# Allegro board P2597_B04_Allegro_layout.brd (continued)
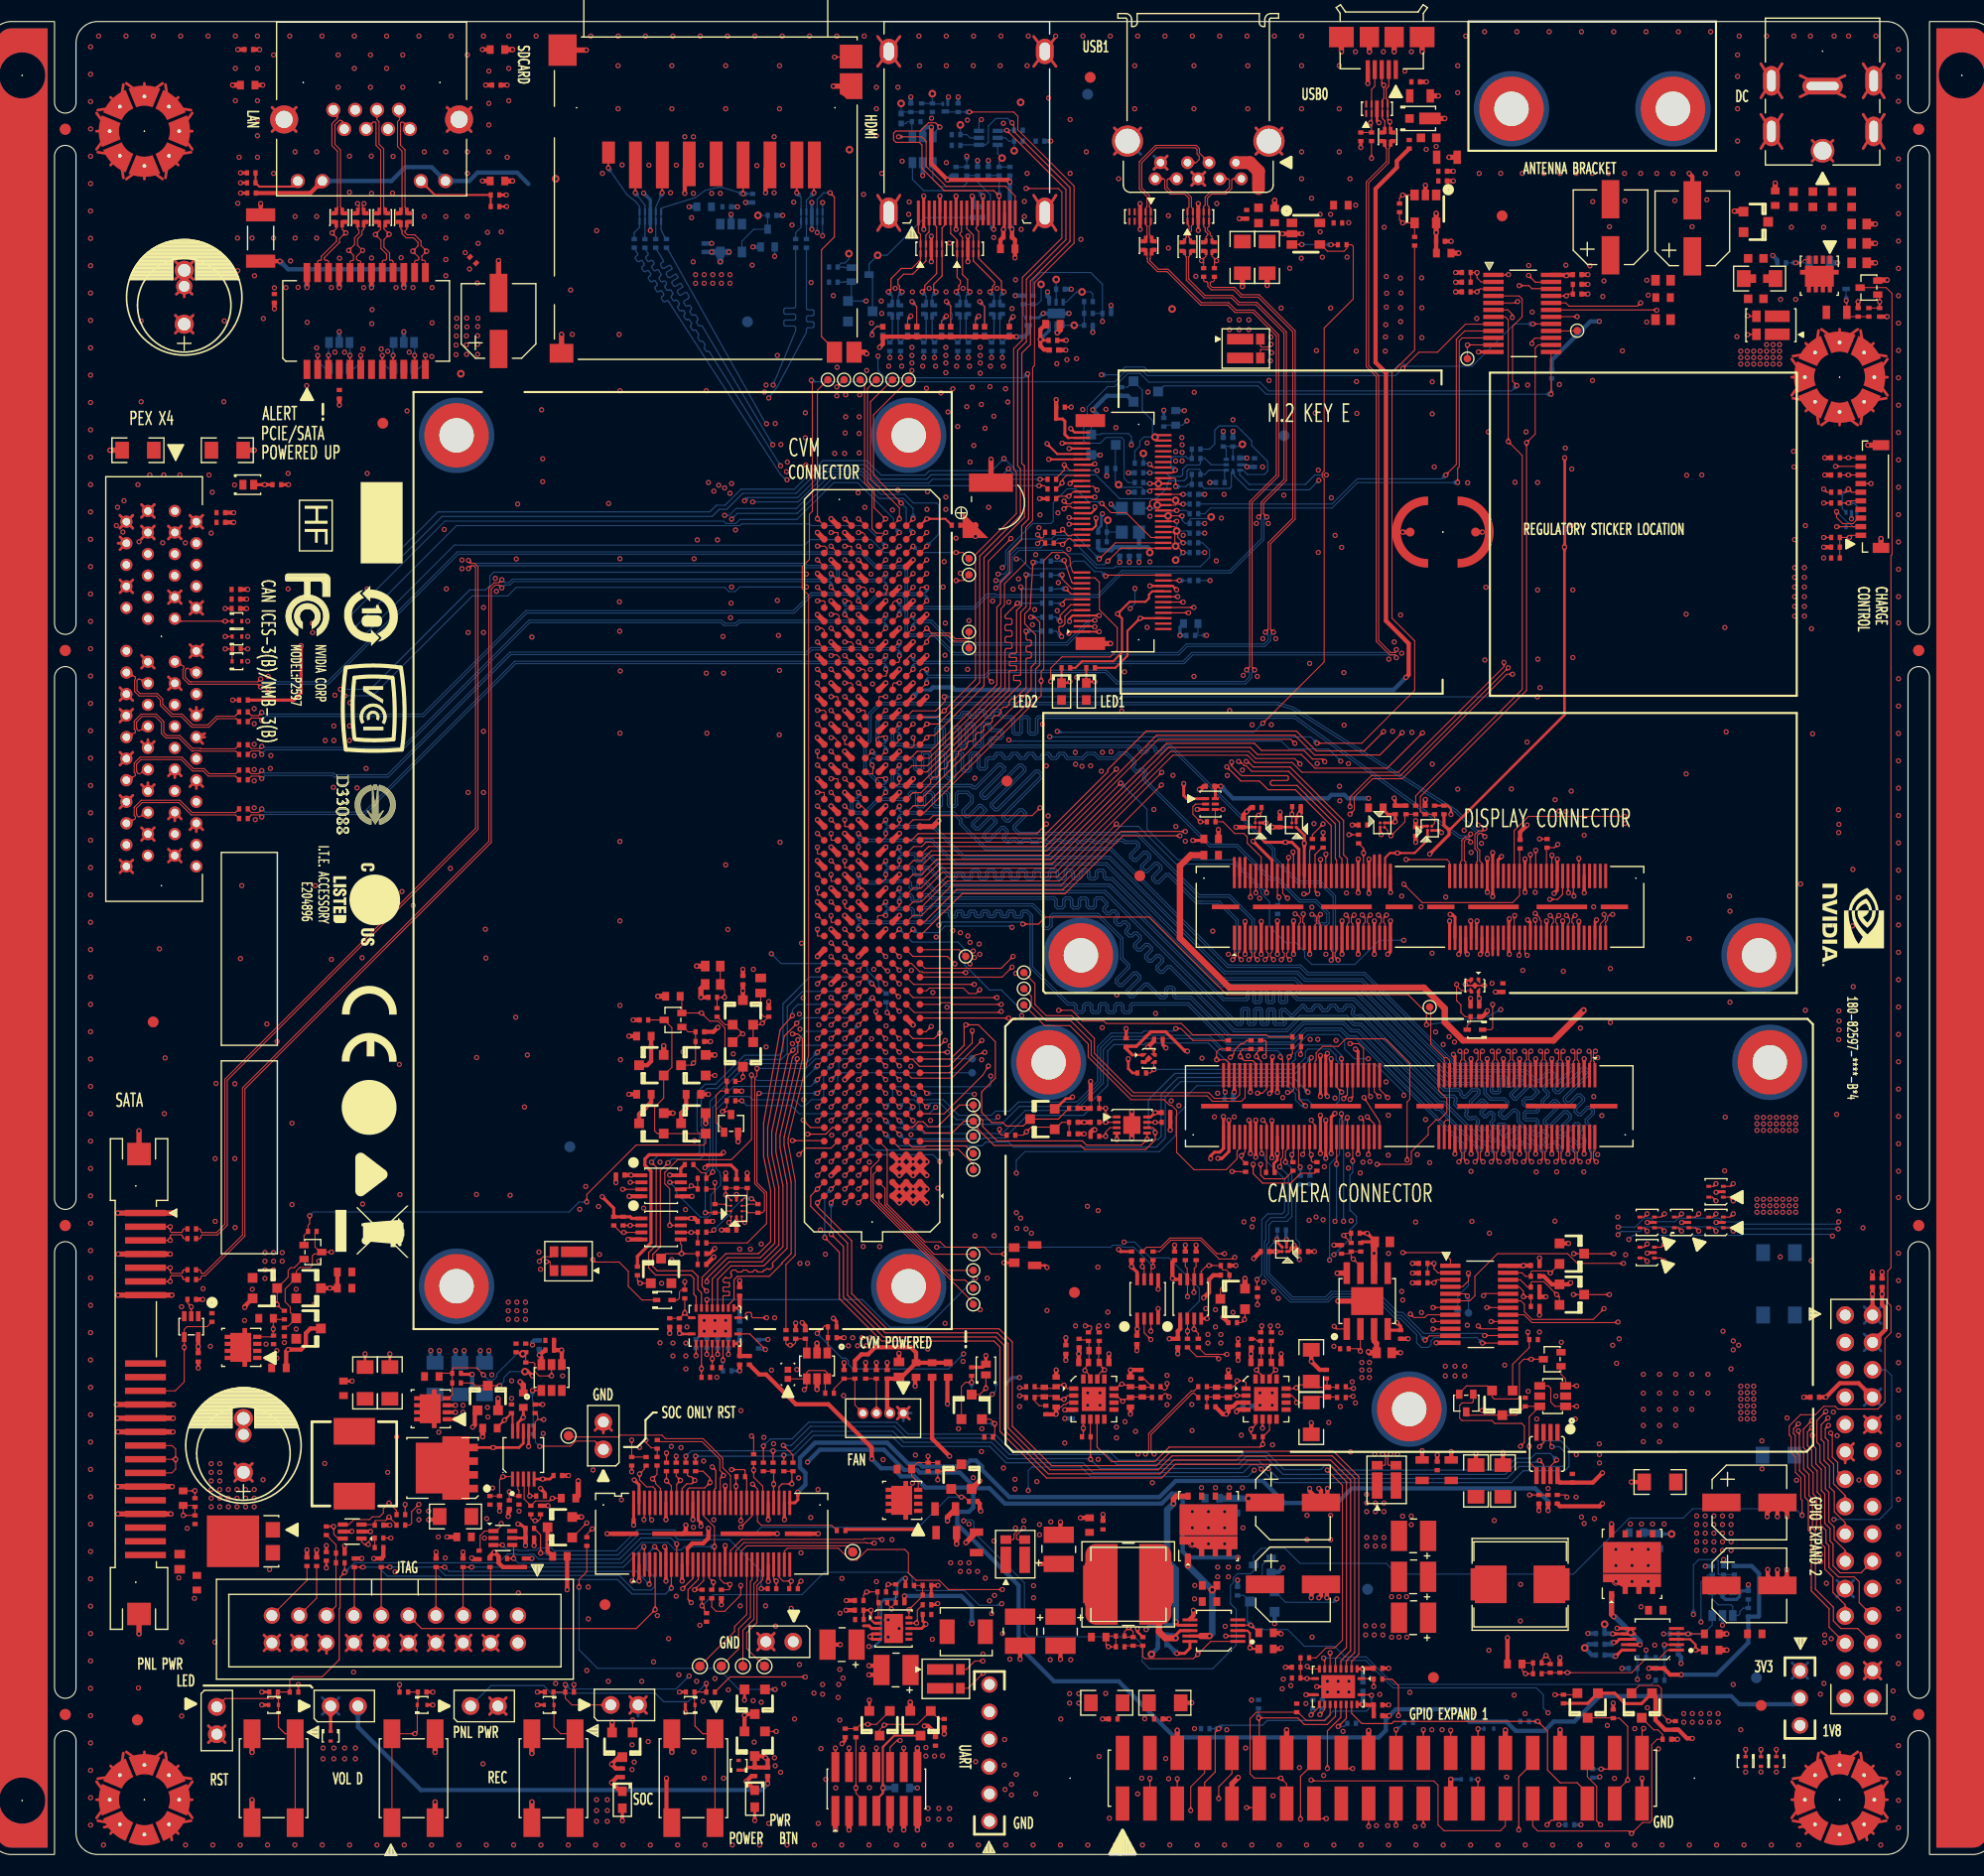
[diagram p0: board, top side]
## Copper pours and planes (outline as drawn; the poured copper is in the pictures) (continued)
VDD_1V8 on L3: 63.08,38.78 61.55,40.31 61.55,49.46 63.28,51.2 65.32,51.2 66.8,52.67 66.8,53.73 69.65,56.58 69.65,58.03 70.52,58.9 72.25,58.9 72.53,58.62 72.53,53.43 69.95,50.85 69.95,47.75 69.15,46.95 66.25,46.95 65.29,45.99 65.29,44.79 65.92,44.16 65.92,43.73 66.49,43.16 66.49,40.42 68.54,38.37 68.54,35.54 69.46,34.62 69.46,31.74 66.87,29.15 62.97,29.15 62.6,29.52 62.6,33.83 63.22,34.44 63.22,35.5 63.22,35.51 63.22,35.85 64.1,36.73 64.1,37.75 64.09,37.77 64.09,38.24 63.55,38.78
VDD_1V8 on L4: outline of 89 points within 13.15,18.08 147.6,84.96
VDD_1V8_IO on TOP: 90.13,19.72 89.19,18.79 84.77,18.79 84.66,18.69 84.66,15.71 84.84,15.54 86.72,15.54 86.89,15.71 86.89,16.08 86.91,16.1 91.85,16.1 93.52,17.77 93.52,21.7 93.22,22.01 90.41,22.01 90.13,21.72
VDD_3V3_SLP on TOP: 32.15,56.24 28.24,56.25 27.75,55.76 27.75,53.68 27.13,53.06 24.11,53.06 21.11,50.05 20.38,50.05 20.38,50.45 20.52,50.6 20.52,53.75 24.05,57.28 24.05,70.91 46.95,93.8 46.95,116.58 48.12,117.75 48.12,119.11 46.4,120.83 43.85,120.83 43.32,120.3 43.32,118.81 42.64,118.13 23.07,118.13 22.65,117.7 22.65,116.23 22.6,116.18 22.05,116.18 21.85,115.98 21.85,115.7 21.88,115.68 21.88,115.11 21.52,114.75 12.27,114.75 11.25,115.78 11.25,120.38 11.75,120.88 19.64,120.88 21.8,123.03 22.7,123.03 23.09,123.42 23.09,125.98 23.68,126.57 25.01,126.57 25.21,126.77 27.25,126.77 28.17,127.68 45.55,127.68 46.95,129.08 46.95,134.28 46,135.23 43.9,135.23 43.1,136.03 43.1,142.74 43.3,142.94 49.9,142.94 51.68,141.16 51.68,138.15 52.01,137.82 56.95,137.82 57.98,136.79 57.98,65.34 54.22,61.57 54.22,59.88 54.76,59.33 55.46,59.33 55.75,59.03 55.75,55.68 55.55,55.48 52.95,55.48 52.95,57.08 52.75,57.28 49.81,57.28 45.42,61.66 37.57,61.66
VDD_3V3_SLP on BOTTOM: outline of 114 points within 19.48,16.68 129.24,71.07
VDD_3V3_SLP on BOTTOM: 32.65,136.18 32.05,136.78 32.05,138.48 32.75,138.48 32.75,137.48 33.05,137.18 37.75,137.18 38.15,137.58 38.15,138.48 38.75,138.48 38.75,137.48 39.05,137.18 41.05,137.18 41.65,137.78 41.65,142.76 42.15,143.26 45.8,143.26 47.98,145.43 47.98,153.51 59.75,165.28 94.54,165.28 97.35,162.47 97.35,158.37 97.27,158.29 96.22,158.29 95.76,158.75 95.76,160.47 94.65,161.58 91.99,161.58 90.63,162.93 90.63,163.18 90.35,163.46 84.8,163.46 83.53,162.19 83.53,159.39 84.08,158.84 85.14,158.84 85.17,158.81 88.11,158.81 88.15,158.85 88.15,159.76 88.36,159.97 89.54,159.97 89.54,158.49 88.87,157.82 83.35,157.82 80.55,155.02 80.55,150.08 78.15,147.68 78.15,145.43 78.95,144.63 78.95,143.08 79.25,142.78 80.2,142.78 80.2,141.83 80.1,141.73 77.8,141.73 77.12,142.41 77.12,149.36 78.15,150.38 78.15,153.18 78.85,153.88 78.85,154.78 76.15,157.48 57.45,157.48 52.58,152.61 52.58,138.61 50.15,136.18
VDD_3V3_SLP on L3: 118.1,64.71 117.85,64.46 117.05,64.46 116.62,64.89 116.62,69.19 117.47,70.04 119.59,70.04 120,70.45 120,74.21 119.67,74.54 118.35,74.54 117.82,75.08 116.11,75.08 114.81,76.38 112.05,76.38 111.8,76.62 111.8,90.63 115.49,94.31 115.49,95.42 115.67,95.6 116.88,95.6 118.65,93.83 118.65,91.23 114.67,87.25 114.67,83.4 115.57,82.5 116.88,82.5 122.34,77.04 122.34,75.32 122.75,74.91 122.75,69.04 122.39,68.68 118.38,68.68 118.1,68.41
VDD_3V3_SYS on TOP: 100.77,12.99 99.99,13.77 99.99,14.97 100.2,15.17 102.61,15.17 102.93,14.86 102.93,13.14 102.78,12.99
VDD_3V3_SYS on TOP: 59.82,2.56 56.05,2.56 55.87,2.74 55.87,5.09 56.11,5.33 57.51,5.33 57.84,5 59.99,5 60.18,4.82 60.18,2.91
VDD_3V3_SYS on TOP: 94.85,28.58 94.85,26.08 94.85,26.08 94.85,25.2 94.47,24.83 89.15,24.83 88.25,25.72 86.28,25.72 85.65,26.35 85.65,33.38 86.75,33.38 86.85,33.48 86.85,35.98 87.45,35.98 87.45,33.78 88.35,32.88 88.35,29.28 89.05,28.58
VDD_3V3_SYS on TOP: 114.85,140.18 114.85,142.58 115.05,142.78 117.05,142.78 117.35,142.48 117.35,140.01 117.25,139.91 115.12,139.91
VDD_3V3_SYS on BOTTOM: 101.39,37.89 100.78,38.5 100.78,39.92 100.98,40.12 100.98,40.84 100.87,40.95 99.8,40.95 99.61,41.14 99.61,41.62 99.75,41.76 140.9,41.76 149.95,50.81 153.83,50.81 155.89,52.87 166.24,52.87 166.83,52.28 166.83,45.53 166.42,45.12 162.77,45.12 155.23,37.58 147.22,37.58 146.06,38.73 143.78,38.73 142.28,37.23 141.5,37.23 140.25,35.98 125.29,35.98 124.81,36.46 123.88,36.46 123.49,36.06 120.47,36.06 118.73,37.8 116.43,37.8 115.56,36.93 104.96,36.93 104,37.89
VDD_3V3_SYS on BOTTOM: 149.74,14.3 146.09,10.65 140.78,10.65 140.17,11.26 138.65,11.26 137.98,11.93 136.3,11.93 135.53,11.16 133.59,11.16 133.1,11.65 130.35,11.65 129.19,10.49 109.76,10.49 104.57,15.69 94.96,15.69 93.91,14.63 89.61,14.63 87.97,13 87.97,6.96 86.55,5.55 39.84,5.55 33.77,11.62 33.77,12.71 33.18,13.29 33.18,17.11 32.88,17.41 29.8,17.41 27.88,15.49 27.88,4.24 30.52,1.6 165.95,1.6 167.08,2.73 167.08,7.8 167.94,8.66 169.73,8.66 171.28,10.21 171.28,18.14 170.5,18.92 166.95,18.92 166.63,18.6 166.63,16.24 166.99,15.88 168.75,15.88 169.2,15.43 169.2,13.9 168.73,13.43 163.16,13.43 163.16,13.43 162.32,13.43 161.44,14.3
VDD_3V3_SYS on L3: 110.15,53.78 110.86,53.07 110.86,52.05 108.27,49.46 107.77,49.46 107.02,48.7 107.02,47.24 107.69,46.57 107.69,38.02 107.3,37.62 104.55,37.62 104.23,37.95 104.23,40.22 104.47,40.46 106.27,40.46 106.36,40.56 106.36,45.05 104.35,47.06 104.35,50.32 107.81,53.78
VDD_3V3_SYS on L3: 128.35,133.61 124.58,129.83 124.58,126.58 125,126.16 125,125.73 124.77,125.5 124.77,123.28 125.36,122.68 125.36,122.32 124.94,121.89 124.94,102.42 125.4,101.95 126.2,101.95 127.06,101.09 127.06,98.07 136.05,89.08 136.05,88.3 135.76,88.02 135.4,88.02 135.12,87.73 135.12,85.52 135.37,85.26 139.86,85.26 140.12,85.53 140.12,86.89 141.52,88.28 141.52,91.84 141.38,91.98 139.91,91.98 139.63,92.27 139.63,100.31 135.1,104.84 135.1,147.65 134.62,148.13 129.55,148.13 128.35,146.94
VDD_3V3_SYS on L3: 49.53,7.61 30.73,7.61 29.22,9.12 29.22,13.72 32.46,16.96 32.46,21.24 32.62,21.4 32.62,24.54 34.41,26.33 34.41,28.51 34.74,28.85 37.37,28.85 37.68,29.15 37.68,32.65 35.35,34.98 35.35,109.22 32.85,111.72 14.3,111.72 11.22,114.8 11.22,116.12 11.25,116.15 11.25,129.83 18.3,136.88 48.45,136.88 51.35,139.78 51.35,151.38 55.17,155.2 73.8,155.2 75.13,153.87 75.13,151.24 72.5,148.61 72.5,148.12 72.69,147.93 72.69,139.86 70.83,138 70.83,128.63 70.28,128.08 66.7,128.08 66.14,127.52 66.14,125.74 67.05,124.84 67.05,78.13 66.25,77.33 66.25,71.48 67.75,69.98 67.75,63.25 68.13,62.87 69.44,62.87 71.46,60.85 71.46,59.46 71.1,59.1 70.17,59.1 69.55,58.48 69.15,58.48 69.05,58.58 69.05,58.68 68.75,58.98 68.45,58.98 68.44,58.97 68.44,56.42 67.9,55.88 65.35,55.88 64.05,57.18 64.05,62.18 63.55,62.68 59.15,62.68 58.55,62.08 58.55,62.04 57.25,60.74 55.61,60.74 55.12,60.25 55.12,10.96 59.54,6.54 59.54,2.86 58.84,2.16 54.98,2.16
VDD_3V3_SYS on L3: 105.39,143.67 107.2,143.67 107.22,143.65 117.06,143.65 117.93,142.78 117.93,136.57 114.79,133.44 114.79,130.73 113.76,129.69 113.76,126.04 113.59,125.88 112.46,125.88 112.27,126.06 112.27,126.87 111.8,127.34 111.8,131.1 110.87,132.04 110.16,132.04 109.19,131.06 108.27,131.06 107.9,131.43 107.25,131.43 106.7,130.88 106.07,130.88 105.82,130.63 107.08,129.37 107.08,120.95 106.66,120.53 105.63,120.53 105.38,120.28 105.38,119.78 105.13,119.53 103.65,119.53 103.06,120.12 103.06,120.33 101.41,121.98 101.41,127.44 103.6,129.64 103.6,130.19 102.53,131.26 102.53,132.8 103,133.26 103,135.13 104.5,136.64 104.5,142.78
VDD_3V3_SYS on L3: 88.41,26.93 88.41,21.86 86.48,19.92 86.48,13.32 87.59,12.21 88.14,11.66 88.14,8.08 87.69,7.63 86.3,7.63 85.59,6.91 85.59,4.48 87.13,2.93 90.73,2.93 92.25,4.45 92.25,7.09 90.77,8.57 90.77,12.1 90.96,12.3 90.96,19.44 92.25,20.72 92.25,25.75 92.17,25.83 92.17,27.1 91.65,27.63 89.11,27.63
VDD_3V3_SYS on L3: 150.5,46.42 151.13,47.05 151.67,47.05 152.86,48.24 152.86,57.74 150.87,59.72 150.87,67.25 152.32,68.7 152.32,88.06 150.78,89.6 150.78,95.35 147.99,98.14 147.99,135.32 145.33,137.99 145.33,142.29 145.43,142.39 147.78,142.39 147.95,142.57 147.95,143.09 147.85,143.2 145.26,143.2 144.92,143.54 144.92,143.76 143.42,145.26 143.42,147.89 143.74,148.21 150.8,148.21 152.97,146.04 152.97,143.94 155.09,141.82 155.09,133.52 159.91,128.7 159.91,63.38 160.71,62.58 161.88,62.58 162.19,62.27 162.19,55.92 160.78,54.51 160.78,50.4 159.91,49.53 159.91,46.6 161.25,45.26 161.25,36.08 163.05,34.28 166.85,34.28 169.17,31.95 169.17,14.04 168.7,13.57 161.69,13.57 161.1,12.98 161.1,12.35 161.11,12.34 161.11,12.08 160.57,11.54 158.21,11.54 158.2,11.54 156.89,11.54 156.75,11.68 156.75,12.7 156.14,13.31 155.41,13.31 153.49,15.23 153.49,16.68 153.38,16.78 152.85,16.78 152.65,16.58 152.65,15.13 153.32,14.46 153.32,13.62 152.95,13.26 149.57,13.26 148.3,14.52 148.3,17.32 147.83,17.79 147.83,28.44 149.43,30.05 149.43,35.66 150.5,36.73
VDD_3V3_SYS on L4: 144.15,154.58 150.4,148.33 150.4,142.68 148,140.28 68.28,140.28 64.94,143.62 64.94,152.57 66.95,154.58
VDD_3V3_SYS_M2 on TOP: 114.58,139.48 114.84,139.74 117.3,139.74 117.43,139.61 117.43,126.5 116.65,125.72 116.65,110.78 112.35,106.48 98.98,106.48 98.77,106.69 98.77,107.54 99.1,107.87 104.49,107.87 107.92,111.3 107.92,114.36 108.02,114.45 111.22,114.45 112.26,115.49 112.26,115.98 111.95,116.29 111.51,116.29 110.74,117.06 110.74,118.06 110.06,118.74 110.06,120.21 110.25,120.41 111.09,120.41 111.25,120.56 111.25,125.86 110.55,126.55 110.55,129.33 111.25,130.03 111.25,130.88 110.99,131.14 108.18,131.14 108.05,131.14 107.94,131.26 107.94,132.13 108.18,132.38 108.18,134.04 109.22,135.08 112.28,135.08 114.58,137.38
VDD_3V3_SYS_PWR_R on TOP: 101.14,28.58 95.45,28.58 95.45,25.11 94.25,23.9 94.25,21.08 94.61,20.72 100.97,20.72 101.2,20.48 101.2,19.6 101.41,19.39 102.67,19.39 102.84,19.56 102.84,20.67 103.05,20.88 104.89,20.88 105.06,21.04 105.06,29.84 104.52,30.39 101.67,30.39 101.49,30.21 101.49,28.93
VDD_5V0_IO_SLP on TOP: 12.55,38.28 17.15,38.28 17.55,38.68 17.55,42.17 21.45,46.07 21.45,48.78 23.05,50.38 25.61,50.38 25.81,50.18 25.81,48.68 25.57,48.44 23.96,48.44 23.95,48.43 23.95,45.73 24.1,45.59 26.5,45.59 26.5,44.77 23,44.77 19.95,41.73 19.95,36.48 18.65,35.18 12.55,35.18
VDD_5V0_IO_SYS on TOP: 129.75,35.41 129.7,35.45 127.88,35.45 127.49,35.07 127.49,20.25 127.86,19.88 129.4,19.88 129.75,20.23
VDD_5V0_IO_SYS on TOP: 125.15,151.86 125.02,151.73 125.02,150.41 124.65,150.03 123.17,150.03 123.05,150.16 123.05,153.31 123.77,154.03 125,154.03 125.15,153.88
VDD_5V0_IO_SYS on TOP: 81.3,18.08 79.77,18.08 79.75,18.11 79.75,21.78 80.02,22.05 80.57,22.05 80.57,21.51 80.7,21.38 81.7,21.38 81.97,21.1 82.82,21.1 82.82,20.86 81.67,20.86 81.35,20.53 81.35,19.83 81.55,19.63 81.82,19.63 81.9,19.55 81.9,19.11 81.8,19.01 81.52,19.01 81.3,18.78
VDD_5V0_IO_SYS on TOP: 42.05,41.98 42.05,40.08 44.05,40.08 44.25,40.28 44.25,41.78 44.05,41.98
VDD_5V0_IO_SYS on TOP: 162.68,39.66 162.12,40.22 162.12,50.58 171.69,60.14 171.69,107.29 167.45,111.53 167.45,119.57 167.6,119.72 174.4,119.72 174.41,119.73 175.72,119.73 176.3,119.14 176.3,53.55 176.03,53.28 174.9,53.28 174.45,52.83 174.45,50.04 174.9,49.58 174.9,45.31 174.22,44.63 171.91,44.63 171.25,43.96 171.25,42.07 171.01,41.83 170.22,41.83 169.44,41.05 166.87,41.05 165.48,39.66
VDD_5V0_IO_SYS on TOP: 24.35,47.68 26.55,47.68 27.15,47.08 27.15,45.98 26.95,45.78 24.35,45.78 24.25,45.88 24.25,47.58
VDD_5V0_IO_SYS on BOTTOM: 151.01,37.34 155.27,37.34 162.88,44.94 166.39,44.94 166.83,44.5 166.83,32.83 166.44,32.43 158.14,32.43 157.16,31.45 152.23,31.45 147.09,26.31 130.87,26.31 129.81,27.37 127.76,27.37 126.94,28.19 126.94,32.98 127.57,33.61 143.41,33.61 143.98,33.03 143.98,31.91 144.37,31.52 144.93,31.52 145.15,31.75 145.15,33.09 148.04,35.98 149.66,35.98
VDD_5V0_IO_SYS on BOTTOM: 40.95,40.08 45.51,40.08 45.82,40.39 45.82,41.67 46.06,41.91 46.67,41.91 46.77,42 46.77,43.36 46.75,43.38 40.36,43.38 40.19,43.21 40.19,40.84
VDD_5V0_IO_SYS on BOTTOM: 134.42,152.68 135.03,152.07 135.03,138.88 134.53,138.38 131.75,138.38 131.53,138.6 130.74,138.6 129.99,137.85 100.63,137.85 99.43,139.05 99.43,139.67 100.02,140.26 103.17,140.26 104.8,141.88 104.8,148.33 109.15,152.68
VDD_5V0_IO_SYS on L3: outline of 101 points within 107.21,63.35 169.72,155.14
VDD_5V0_IO_SYS on L4: 84.46,13.25 85.34,12.37 86.85,12.37 88.27,10.96 89.09,10.96 91.35,13.21 91.35,13.95 92.15,14.74 93.59,14.74 96.09,12.24 107.87,12.24 108.97,13.34 117.22,13.34 117.41,13.53 119.94,13.53 119.95,13.52 121.05,13.52 121.94,14.4 138.99,14.4 141.91,11.48 152.1,11.48 153.15,12.53 155.45,12.53 158.05,15.13 158.05,16.83 157.63,17.25 156.78,17.25 155.47,18.55 153.05,18.55 152.65,18.95 152.65,20.7 151.03,22.32 121.68,22.32 121.26,22.74 113.84,22.74 113.19,23.38 95.5,23.38 94.27,22.16 88.25,22.16 85.99,19.89 80.98,19.89 80,18.91 80,14.33 81.09,13.25
VDD_5V0_IO_SYS on L4: outline of 82 points within 23.89,31.24 164.07,77.29
VDD_5V0_IO_SYS_R on TOP: 132.52,19.85 132.64,19.73 141.61,19.73 141.61,34.91 141.38,35.14 137.2,35.14 136.43,35.9 131.92,35.9 131.51,35.49 130.13,35.49 130.13,32.16 130.38,31.91 132.32,31.91 132.52,31.72
VDD_12V_SLP on TOP: 18.13,27.48 12.55,27.48 12.55,30.68 12.75,30.88 19.35,30.88 20.15,31.68 20.15,33.78 20.14,33.78 20.14,41.7 23.06,44.62 28,44.62 28.04,44.66 28.04,46.45 28.12,46.52 29.05,46.52 29.7,47.18 29.7,47.86 30.06,48.22 31.35,48.22 31.36,48.23 31.36,51.69 31.69,52.02 32.75,52.02 32.77,52.04 32.77,55.9 37.75,60.88 45.23,60.88 50.44,55.67 50.44,47.97 50.27,47.8 40.03,47.8 39.17,46.94 34.74,46.94 32.07,44.27 32.07,43.39 30.95,42.27 30.95,38.48 29.15,36.68 26.55,36.68 24.95,35.08 24.95,26.68 23.85,25.58 18.82,25.58 18.82,26.79
VDD_12V_SLP on TOP: 16.05,143.88 14.55,142.38 14.55,128.58 11.55,125.58 11.55,123.18 13.25,121.48 19.95,121.48 21.25,122.78 21.25,142.68 20.05,143.88
VDD_12V_SLP on BOTTOM: 12.4,59.66 12.4,32.53 13.85,31.08 23.7,31.08 24.95,32.33 24.95,56.47 27.23,58.74 27.23,93.93 25.88,95.27 24.74,95.27 24.2,95.81 24.2,108.43 25.84,110.07 28.47,110.07 29.45,111.05 29.45,133.85 19.5,143.8 11.75,143.8 10.55,142.6 10.55,61.52
VDD_12V_SLP on L4: 81.79,42.88 76.23,48.44 48.28,48.44 47.64,49.08 47.64,52.37 48.1,52.83 64.4,52.83 65.2,53.63 74.12,53.63 74.61,53.14 79.95,53.14 80.26,52.83 80.26,52.78 87.55,45.5 87.55,43.33 87.1,42.88
VDD_19V_CON on TOP: 167.05,154.08 167.05,159.08 168.65,160.68 171.85,160.68 173.45,159.08 173.45,154.08
VDD_19V_IN on TOP: 164.65,153.21 164.65,150.28 166.25,148.68 169.35,148.68 169.35,147.68 171.12,147.68 171.3,147.68 171.8,147.18 173.38,147.18 173.45,147.25 173.45,153.48 164.92,153.48
VDD_DIS_3V3_LCD on TOP: 128.45,92.48 128.25,92.68 128.25,93.88 127.75,94.38 127.75,98.13 127.95,98.33 128.3,98.33 128.45,98.18 128.45,96.58 128.75,96.28 129.15,96.28 129.35,96.08 129.35,95.58 128.85,95.58 128.75,95.48 128.75,94.08 129.45,93.38 129.45,92.68 129.25,92.48
VDD_LM3481_GATED on TOP: 48.85,32.88 48.75,32.78 48.75,31.78 48.45,31.48 48.45,30.98 48.65,30.78 49.75,30.78 49.95,30.98 49.95,31.28 49.55,31.68 49.55,32.78 49.45,32.88
VDD_LM3481_GATED on TOP: 31.95,37.28 31.45,37.78 31.45,42.04 32.39,42.98 38.75,42.98 39.25,43.48 39.25,44.98 40.65,46.38 47.85,46.38 48.85,45.38 48.85,41.58 48.75,41.48 48.15,41.48 48.05,41.58 48.05,44.58 47.25,45.38 41.05,45.38 40.65,44.98 40.65,43.7 41.17,43.18 41.17,42.73 41.55,42.73 41.55,40.03 41.17,40.03 41.17,39.58 41.05,39.45 37.92,39.45 35.75,37.28
VDD_LM3481_GATED on BOTTOM: 49.55,31.83 49.55,38.78 48.85,39.48 48.85,44.08 48.65,44.28 48.25,44.28 48.05,44.08 48.05,38.68 48.75,37.98 48.75,31.78 48.94,31.59 49.31,31.59
VDD_MOD on TOP: 161.84,148.59 163.73,148.59 163.73,148.59 163.73,147.07 164.08,146.72 164.08,145.91 163.73,145.56 163.73,144.16 161.75,142.18 161.75,140.48 158.18,136.91 158.18,102.22 160.45,99.95 160.45,64.02 156.62,60.19 152.87,60.19 152.42,59.73 152.42,58.43 152.07,58.08 125.51,58.08 124.98,57.55 104.34,57.55 102.58,55.79 93.35,55.79 92.53,56.62 88.86,56.62 88.37,57.11 87.03,57.11 83.56,60.58 83.56,62.59 83.75,62.78 90.68,62.78 92.05,64.15 92.05,65.05 92.49,65.49 101.08,65.49 101.53,65.04 107.52,65.04 108.34,65.87 109.71,65.87 109.95,65.63 109.95,65.13 111.75,63.33 114.79,63.33 115.35,62.78 148.76,62.78 152.57,66.59 152.57,97.41 148.97,101.01 148.97,135.91 154.9,141.85 155.29,141.85 155.63,142.19 155.63,146.52 155.26,146.89 154.01,146.89 153.82,146.7 149.72,146.7 149.7,146.72 149.7,150.45 149.81,150.57 159.87,150.57
VDD_MUX on TOP: 116.6,21.58 114.3,21.58 113.5,22.38 113.5,25.38 113.09,25.78 112.58,25.78 112.31,26.05 112.31,28.01 111.45,28.45 110.5,28.45 110.5,29.23 116.31,29.23 116.4,29.32 116.4,33.48 116.95,34.03 120.92,34.03 121.37,33.59 121.37,21.99 120.96,21.59 116.61,21.59
VDD_MUX on TOP: 154.72,36.43 152.8,36.43 152.57,36.66 152.57,59.64 152.96,60.03 156.67,60.03 160.64,63.99 160.64,100.02 158.36,102.29 158.36,136.84 161.7,140.18 164.35,140.18 164.75,140.58 164.75,141.58 167.15,141.58 167.15,111.54 171.5,107.19 171.5,60.18 161.76,50.43 161.76,40.09 163.75,38.11 163.75,17.59 163.63,17.47 156.93,17.47 156.86,17.55 156.86,17.94 156.95,18.03 161.5,18.03 161.84,18.37 161.84,21.32 161.61,21.55 158.19,21.55 157.5,20.86 155.47,20.86 154.87,21.46 154.87,23.28 151.75,23.28 151.05,23.98 151.05,24.48 150.95,24.58 150.05,24.58 149.95,24.68 149.95,25.58 150.05,25.68 155.25,25.68 155.55,25.98 155.55,29.18 156.15,29.78 156.15,33.3 155.95,33.5 155.47,33.5 155.15,33.81 155.15,36
VDD_MUX on BOTTOM: 162.03,28.1 161.9,27.98 158.35,27.98 158.25,28.08 158.25,31.58 158.49,31.82 161.81,31.82 162.03,31.6
VDD_MUX on BOTTOM: 111.16,28.27 111.16,29.37 111.26,29.47 115.86,29.47 115.96,29.37 115.96,28.27 115.76,28.07 111.36,28.07
VDD_MUX on BOTTOM: 166.8,133.53 166.8,140.38 166.45,140.73 164.6,140.73 164.15,140.28 158.75,140.28 158.45,139.98 158.45,83.66 159.45,82.66 159.45,59.93 160.57,58.8 171.2,58.8 171.57,59.18 174.8,59.18 175.95,60.33 175.95,130.38 174.3,132.03 168.3,132.03
VDD_MUX on BOTTOM: 150.35,24.68 150.35,25.78 150.45,25.88 155.05,25.88 155.15,25.78 155.15,24.68 154.95,24.48 150.55,24.48
VDD_MUX on L4: 162.35,33.78 152.65,33.78 149.19,30.32 147.94,30.32 147.71,30.09 133.77,30.09 132.91,29.23 131.18,29.23 130.38,30.04 116.88,30.04 116.61,29.76 116.14,29.3 111.68,29.3 111.28,28.9 111.28,26.73 111.38,26.63 112.7,26.63 114.38,24.94 132.1,24.94 132.61,24.43 161.27,24.43 162.65,25.81 162.65,33.48
VDD_SYS_BL on TOP: 113.75,92.28 113.75,95.27 113.88,95.4 114.59,95.4 115.51,94.48 116.24,94.48 116.45,94.27 116.45,93.84 117.14,93.15 117.14,92.53 116.89,92.28
VDD_VBUS_CONN on TOP: 133.95,153.58 133.95,159.78 134.75,159.78 134.75,153.58
VDD_VBUS_CONN_L on TOP: 133.35,158.98 133.35,159.78 132.95,160.18 132.65,160.18 132.25,160.58 132.25,165.88 131.55,166.58 130.35,166.58 130.35,164.03 130.1,163.78 130.1,163.18 130.25,163.03 130.25,161.33 130.45,161.13 130.45,160.63 130.78,160.31 130.78,159.16 130.95,158.98
BUCK_IO_VSW on TOP: 150.38,20.09 150.46,20.02 151.11,20.02 151.21,20.12 152.46,20.12 152.46,19.86 152.45,19.85 151.49,19.85 150.93,19.29 144.96,19.29 143.35,20.9 143.35,29.3 144.33,30.28 148.45,30.28 149.75,28.98 155.25,28.98 155.35,28.88 155.35,26.18 149.85,26.18 149.65,25.98 149.65,23.98 150.38,23.25
BUCK_IO_VSW on BOTTOM: 150.45,26.78 150.45,28.58 150.75,28.88 155.45,28.88 155.65,28.68 155.65,27.68 154.45,26.48 150.75,26.48
BUCK_VSW on TOP: 109.5,21.28 106.8,21.28 105.4,22.68 105.4,30.28 107.64,32.52 116.16,32.52 116.16,29.41 115.9,29.41 115.9,29.63 110.5,29.63 110.5,29.38 110.35,29.38 110.35,28.29 110.5,28.29 110.5,27.95 110.89,27.95 110.89,26.48 111.39,25.98 111.39,23.17
BUCK_VSW on BOTTOM: 111.23,30.12 111.23,31.92 111.53,32.22 116.23,32.22 116.43,32.02 116.43,31.02 115.23,29.82 111.53,29.82
CGND on TOP: 24.25,153.88 23.65,153.28 23.65,146.88 25.85,144.68 41.25,144.68 46.95,150.38 46.95,169.56 24.25,169.56
CGND on BOTTOM: 46.95,169.56 46.95,150.38 41.25,144.68 25.85,144.68 23.65,146.88 23.65,153.28 24.25,153.88 24.25,169.56
CGND on L2: 24.25,153.88 23.65,153.28 23.65,146.88 25.85,144.68 41.25,144.68 46.95,150.38 46.95,169.56 24.25,169.56
CGND on L3: 23.65,153.28 23.65,146.88 25.85,144.68 41.25,144.68 46.95,150.38 46.95,169.56 24.25,169.56 24.25,153.88
CGND on L4, L5: 46.95,169.56 46.95,150.38 41.25,144.68 25.85,144.68 23.65,146.88 23.65,153.28 24.25,153.88 24.25,169.56
LM3481_S on TOP: 45.35,37.08 44.05,37.08 43.85,36.88 43.85,30.38 44.15,30.08 44.15,28.98 44.35,28.78 45.15,28.78 45.33,28.96 45.33,29.76 46.85,31.28 46.85,32.58 46.75,32.68 46.15,32.68 46.01,32.82 46.02,32.82 46.02,36.41
LM3481_SW on TOP: 25.45,27.18 25.35,27.28 25.35,34.08 27.05,35.78 35.25,35.78 38.35,38.88 43.55,38.88 43.55,32.98 37.08,32.98 36.3,32.2 36.3,31.83 36.05,31.58 35.3,31.58 35.08,31.35 33.58,31.35 33.3,31.08 31.05,31.08 30.8,30.83 30.8,30.33 27.65,27.18
MDI_CT on TOP: 29.12,136.12 29.12,138.78 29.76,138.78 29.76,136.7 30.09,136.37 30.1,136.38 31.71,136.38 32.13,136.8 32.13,138.79 32.77,138.79 32.77,136.7 33.09,136.38 34.72,136.38 35.14,136.8 35.14,138.77 35.15,138.78 35.76,138.78 35.77,138.79 35.77,136.76 36.15,136.38 37.75,136.38 38.14,136.77 38.14,138.78 38.77,138.78 38.77,136.36 38.18,135.77 29.48,135.77
Net_6 on TOP (solid shape): outline of 260 points within 0.63,0.63 5.37,169.55
Net_7 on TOP (solid shape): outline of 154 points within 180.81,0.63 185.54,169.55
Net_8 on BOTTOM (solid shape): outline of 260 points within 0.63,0.63 5.37,169.55
Net_9 on BOTTOM (solid shape): outline of 154 points within 180.81,0.63 185.54,169.55
Net_61 on L2 (solid shape): outline of 154 points within 180.81,0.63 185.54,169.55
Net_61 on L2 (solid shape): outline of 260 points within 0.63,0.63 5.37,169.55
Net_61 on L3 (solid shape): outline of 154 points within 180.81,0.63 185.54,169.55
Net_61 on L3 (solid shape): outline of 260 points within 0.63,0.63 5.37,169.55
Net_61 on L4 (solid shape): outline of 154 points within 180.81,0.63 185.54,169.55
Net_61 on L4 (solid shape): outline of 260 points within 0.63,0.63 5.37,169.55
Net_61 on L5 (solid shape): outline of 154 points within 180.81,0.63 185.54,169.55
Net_61 on L5 (solid shape): outline of 260 points within 0.63,0.63 5.37,169.55
P_P2_3V3 on BOTTOM: 167,45.41 167,52.6 167.3,52.91 174.32,52.91 175.8,51.43 175.8,49.03 175.6,48.83 174.1,48.83 173.55,48.28 173.55,46.03 172.62,45.1 167.3,45.1
P_P6_1V8 on BOTTOM: 167,56.98 167,53.35 167.28,53.08 174.4,53.08 175.97,51.5 175.97,48.95 175.7,48.68 174.17,48.68 173.7,48.2 173.7,45.93 173.88,45.75 176.82,45.75 177.53,46.45 177.53,57 176.88,57.66 172.1,57.66 171.38,56.93 170.9,56.93 170.47,57.35 167.38,57.35
P_P8_5V on BOTTOM: 175.85,44.93 176.42,44.35 176.42,32.38 175.62,31.58 169.82,31.58 169.08,32.32 167.43,32.32 166.99,32.77 166.99,44.63 167.29,44.93
PMGND on L3: 122.15,46.98 123.25,45.88 123.25,39.88 122.29,38.92 115.78,38.92 114.35,40.35 114.35,45.32 116.01,46.98
PMGND3 on L3: 99.16,46.88 104.23,46.88 106.21,44.91 106.21,40.72 106.11,40.62 104.39,40.62 103.96,40.19 103.96,36.28 103.66,35.98 97.87,35.98 97.52,36.33 97.52,40.18 98.5,41.16 98.5,46.22
SD_CARD_SW_PWR on TOP: 66.75,159.08 66.75,154.18 66.95,153.98 67.95,153.98 68.15,154.18 68.15,159.08
SD_CARD_SW_PWR on BOTTOM: 66.65,154.48 66.65,151.28 67.05,150.88 68.25,150.88 68.25,154.48 68.05,154.68 66.85,154.68
SYNV18DBC_3_SW on TOP: 84.95,19.14 84.95,20.68 85.05,20.78 86.8,20.78 87.25,21.23 87.25,22.53 89.57,22.53 89.92,22.17 89.92,19.76 89.12,18.95 85.13,18.95
USB_VBUS_J38 on TOP: 116.45,152.48 118.45,152.48 118.45,154.88 117.25,154.88 116.45,154.08
USB_VBUS_J38_FB on TOP: 122.52,151.88 117.45,151.88 117.45,151.58 116.25,150.38 115.55,150.38 115.55,149.08 116.8,147.83 122.17,147.83 122.89,148.55 122.89,151.5
VDD_3V3_SLP on BOTTOM (solid shape): 31.74,155.53 31.82,155.38 31.74,155.22 31.3,154.86 30.83,155.38 31.3,155.89
VDD_3V3_SLP on BOTTOM (solid shape): 43.17,155.53 43.25,155.38 43.17,155.22 42.73,154.86 42.26,155.38 42.73,155.89
VDD_3V3_SYS on TOP (solid shape): 32.2,13.2 31.76,12.75 31.65,12.71 31.54,12.75 31.1,13.2 31.65,13.82
VDD_3V3_SYS_PG_Q_PNL on BOTTOM (solid shape): 34.77,13.2 34.33,12.76 34.19,12.7 34.05,12.76 33.61,13.2 34.19,13.83
P_P2_3V3 on TOP (solid shape): 174.75,51.11 174.89,51.16 175.03,51.11 175.47,50.66 174.89,50.03 174.31,50.66

Small or netless copper shapes (teardrops, artwork), in the pictures only: 1856 on TOP, 622 on BOTTOM, 497 on L3, 531 on L4

## Text on the board
User.Comments: {\Fgdt;n}\Ftxt;3,18{\Ftxt.shx;\W2.400000;\H2.200000; }, \P[0,125]\P220C_125PTH, 8X
Ref Des/Silkscreen Top: PNL PWR | LED | RST | VOL D | JTAG | REC | GND | SOC | SOC ONLY RST | POWER | PWR | BTN | FAN | CVM POWERED | LED2 | USB1 | LED1 | USB0 | GPIO EXPAND 1 | ANTENNA BRACKET | REGULATORY STICKER LOCATION | DC | 3V3 | 1V8 | CONTROL | CHARGE | LAN | SDCARD | HDMI | UART | GPIO EXPAND 2 | SATA | PEX X4 | PCIE/SATA | POWERED UP | ALERT | CONNECTOR | CAN ICES-3(B)/NMB-3(B) | CVM | M.2 KEY E | CAMERA CONNECTOR | DISPLAY CONNECTOR
DISPLAY_BOTTOM: 2
PLACE_BOUND_BOTTOM: 2
PAGE_OUTLINE: PLACE VENDOR LOGO, FLAMMABILITY RATING, DATE CODE AND COUNTRY | OF ORIGN IN THIS AREA ON SOLDER SIDE SILKSCREEN OF PC BOARD. | DO NOT COPPER PLATE.
User.8: DMIC
User.15: GND
User.21: FBVDDQ
User.45: {\Fgdt;n}\Ftxt;3,18{\Ftxt.shx;\W2.400000;\H2.200000; }, \P[0,125]\P220C_125PTH, 8X | GND | FIGURE | SIZE | 0.28 | 0.35 | 0.64 | 0.70 | 0.71 | 0.89 | 1.02 | 1.19 | 1.60 | 1.70 | 2.30 | 3.20 | 1.09 | 1.10 | 1.27 | 1.40 | 1.65 | 2.10 | 2.36 | 2.75 | 3.00 | 3.25 | 3.95 | 4.30 | 1.60x0.90 | 2.00x0.80 | 2.10x0.90 | 3.00x0.80 | DRILL CHART (TOP to BOTTOM) | ALL UNITS ARE IN MILLIMETERS | TOLERANCE | +0.08/-0.28 | +0.08/-0.35 | +0.08/-0.08 | +0.13/-0.13 | +0.05/-0.05 | +0.08/-0.00 | PLATED | NON-PLATED | QTY | 3653 | 32 | 4 | 9 | 64 | 12 | 73 | 2 | 1 | 11 | 6 | 3 | height | 2.5mm | max component | 10mm | 2mm | 0.05mm | 0mm | 1.5mm
